# Altium PCB main_not_rotated.PcbDoc (part 1 of 2)
Units mm, origin at the board's own origin, x right, y up, seen from the top; angles counter-clockwise.
Board outline 199.97 x 144.74 mm, 2 copper layers (Top Layer, Bottom Layer); 194 components, 185 nets, 678 pads, 91 vias.
Unrouted connection lines stored in the file: 244.
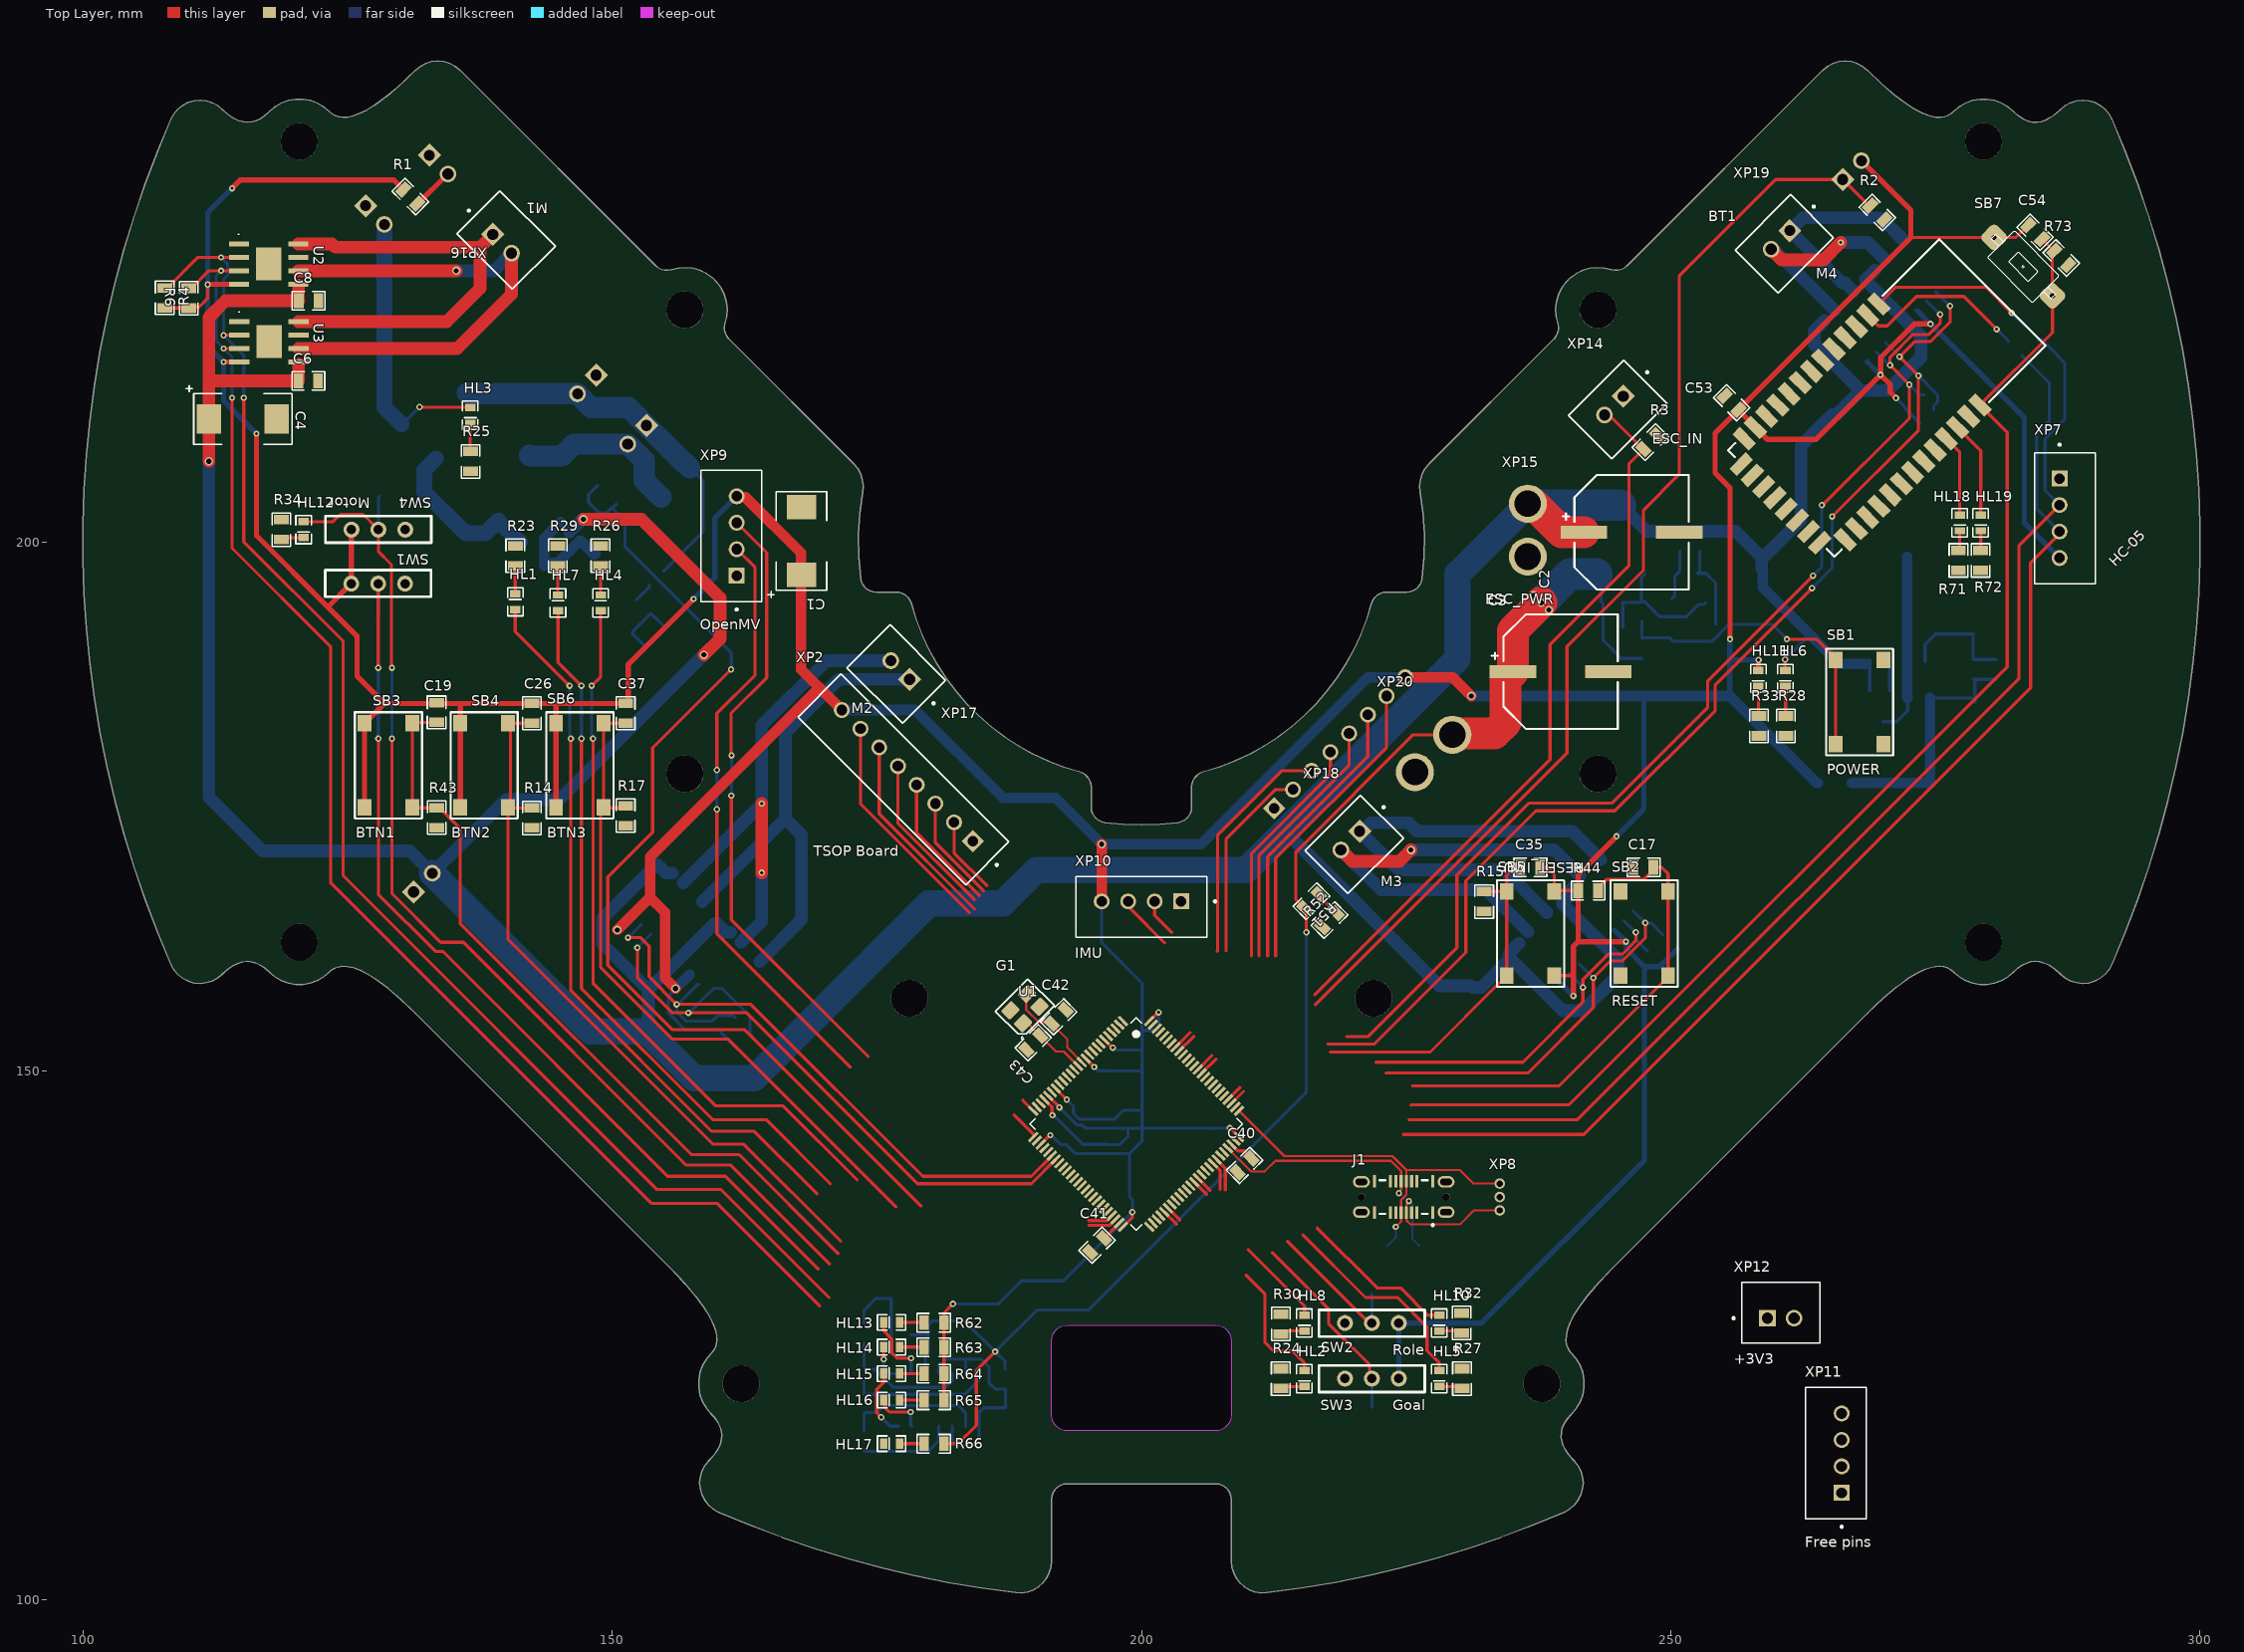
[diagram p0: Top Layer view]
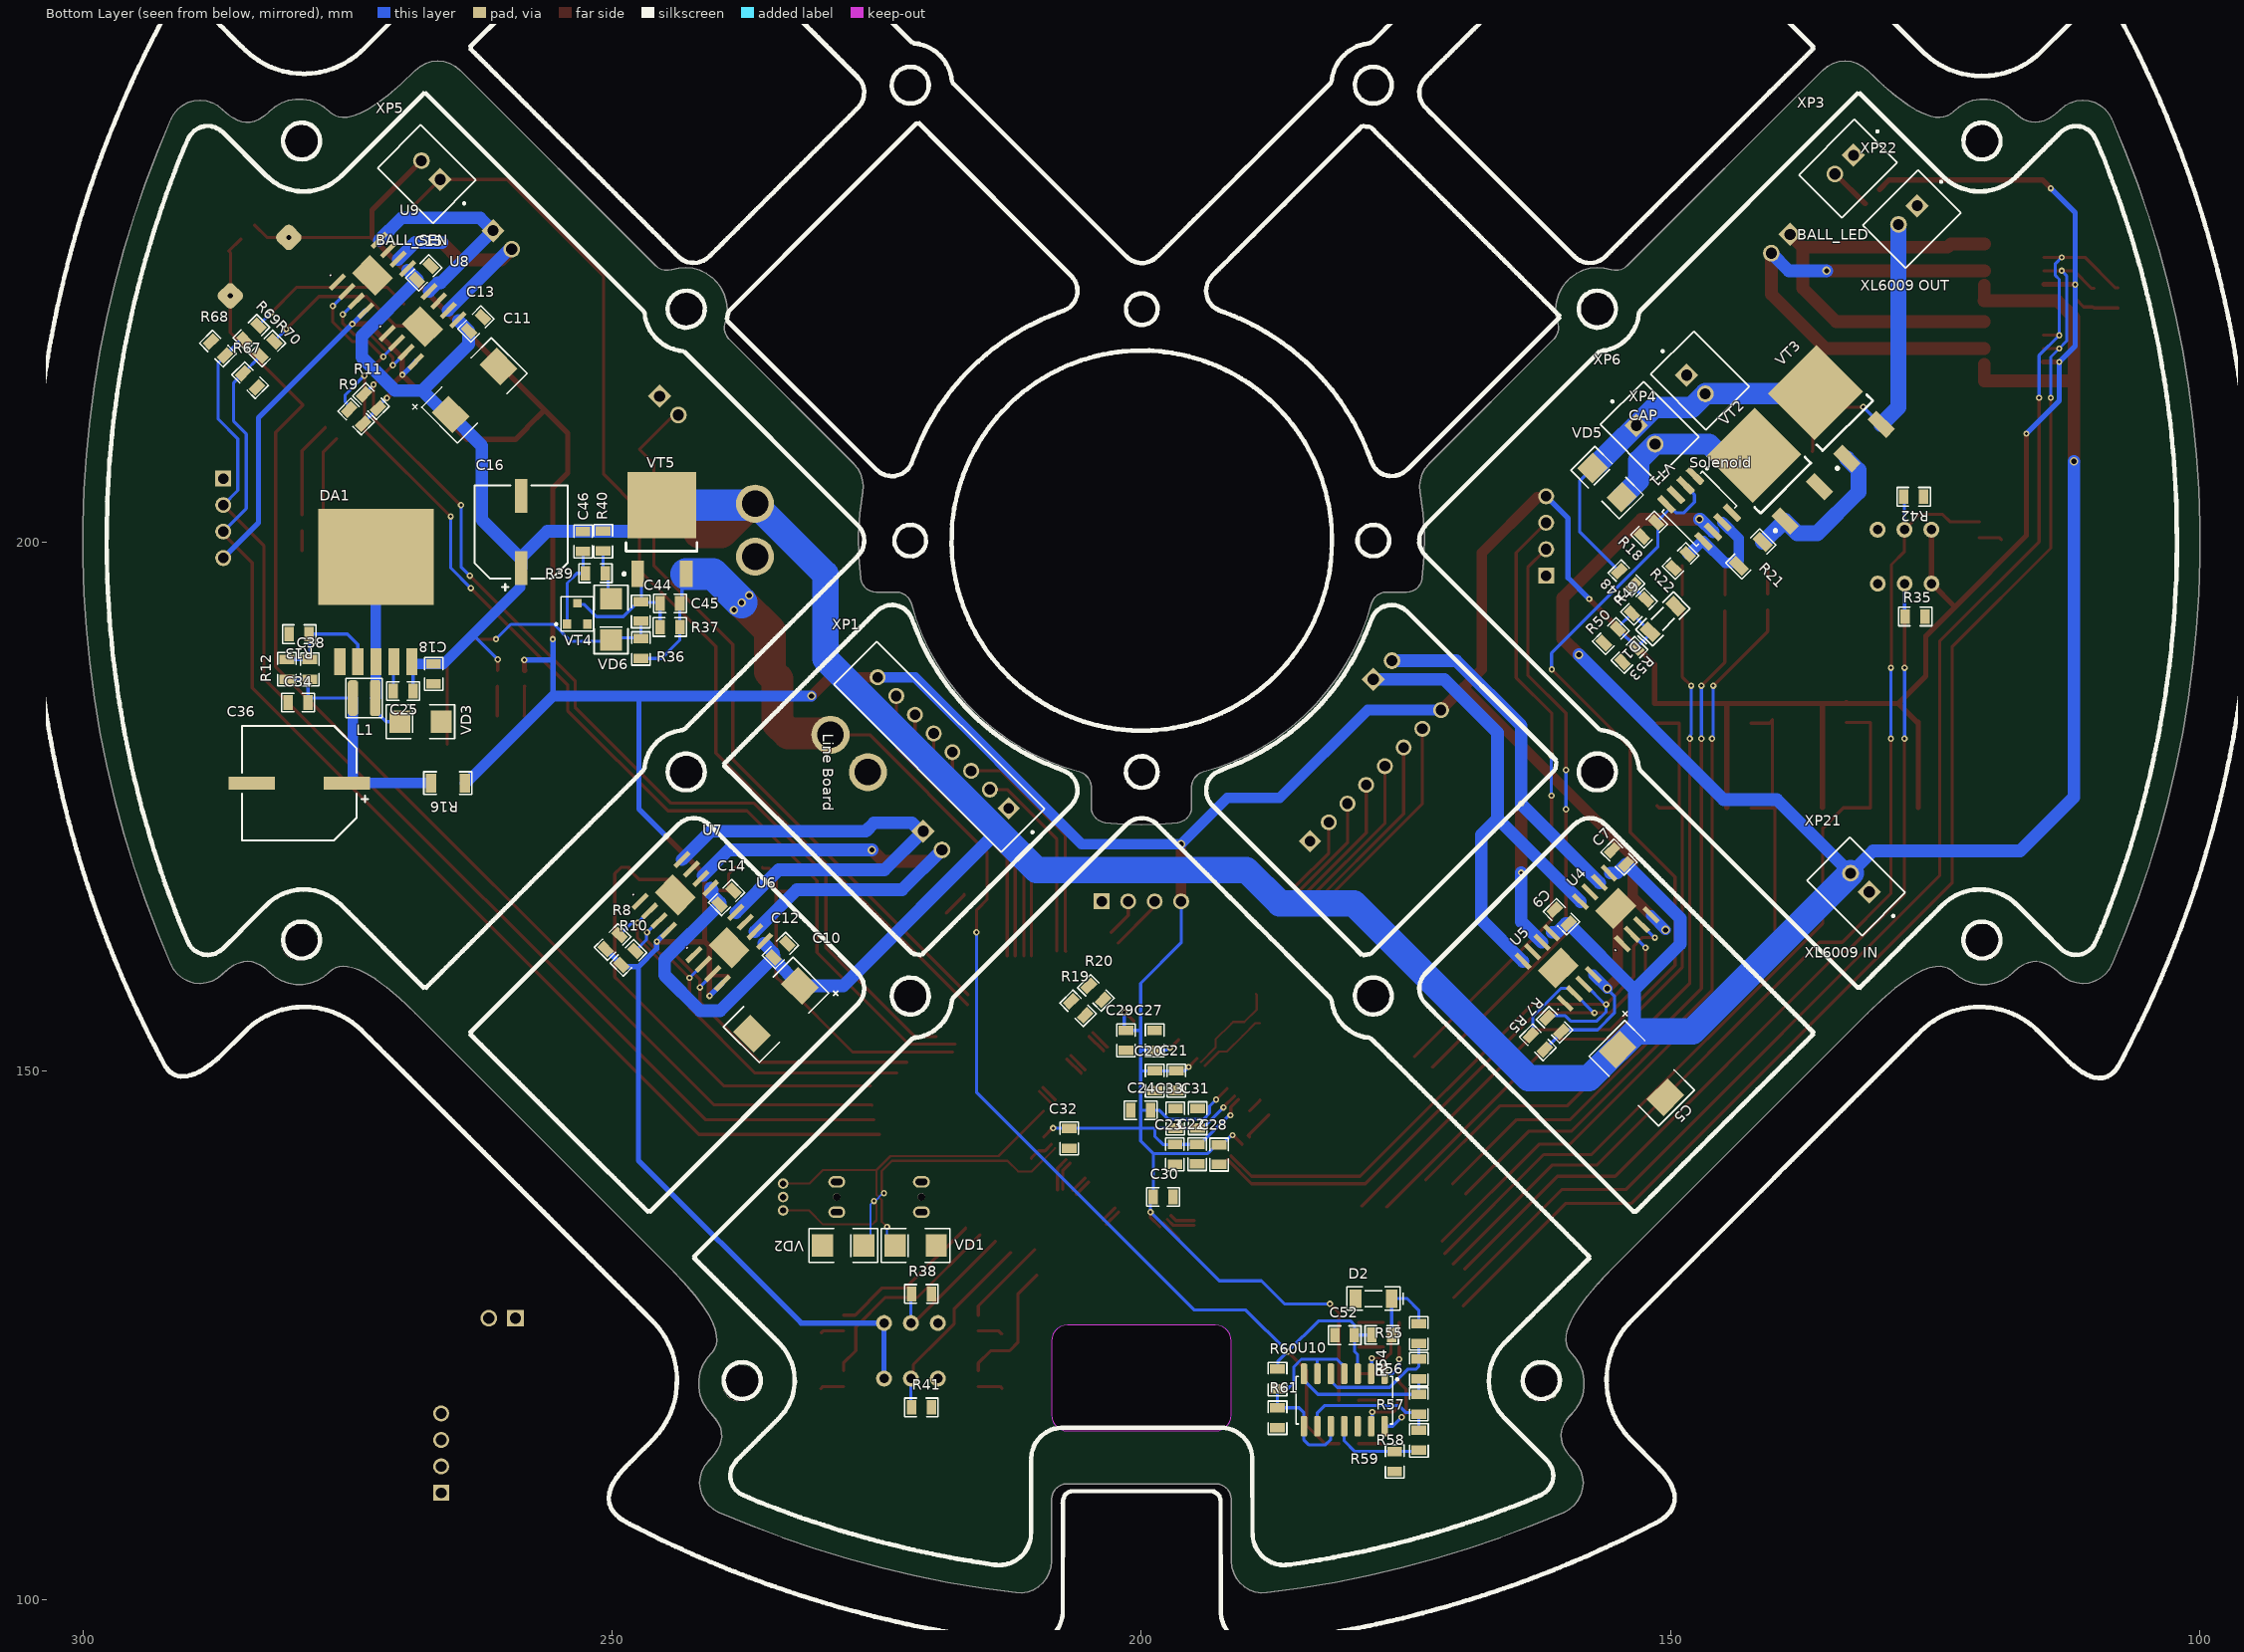
[diagram p1: Bottom Layer view, seen from below]
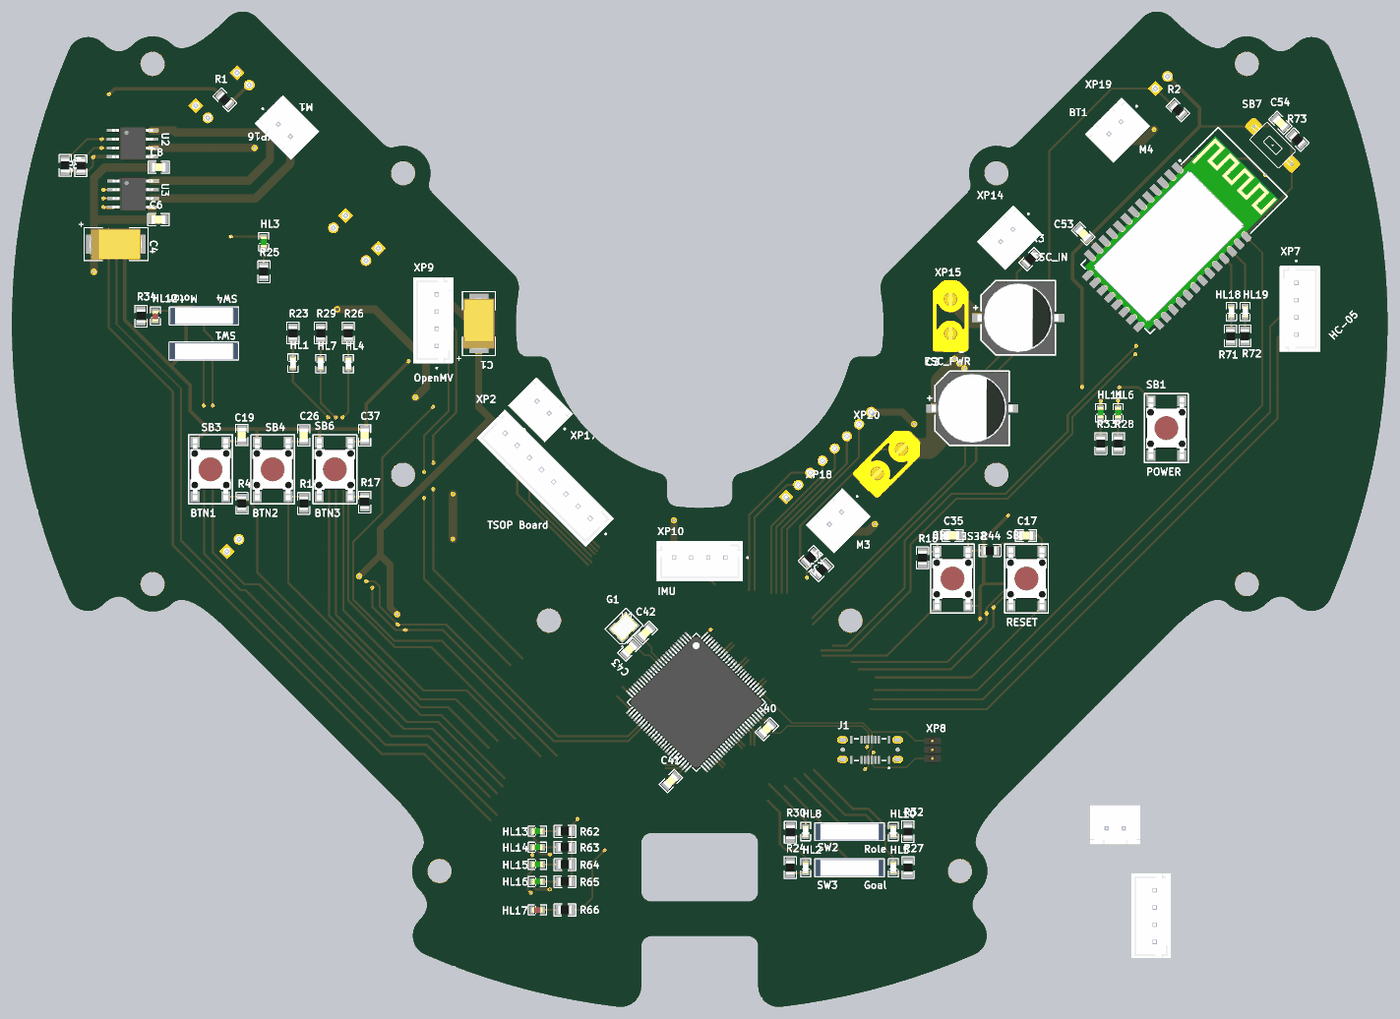
[diagram p3: 3D render of the assembled board from above, using the file's embedded part models]
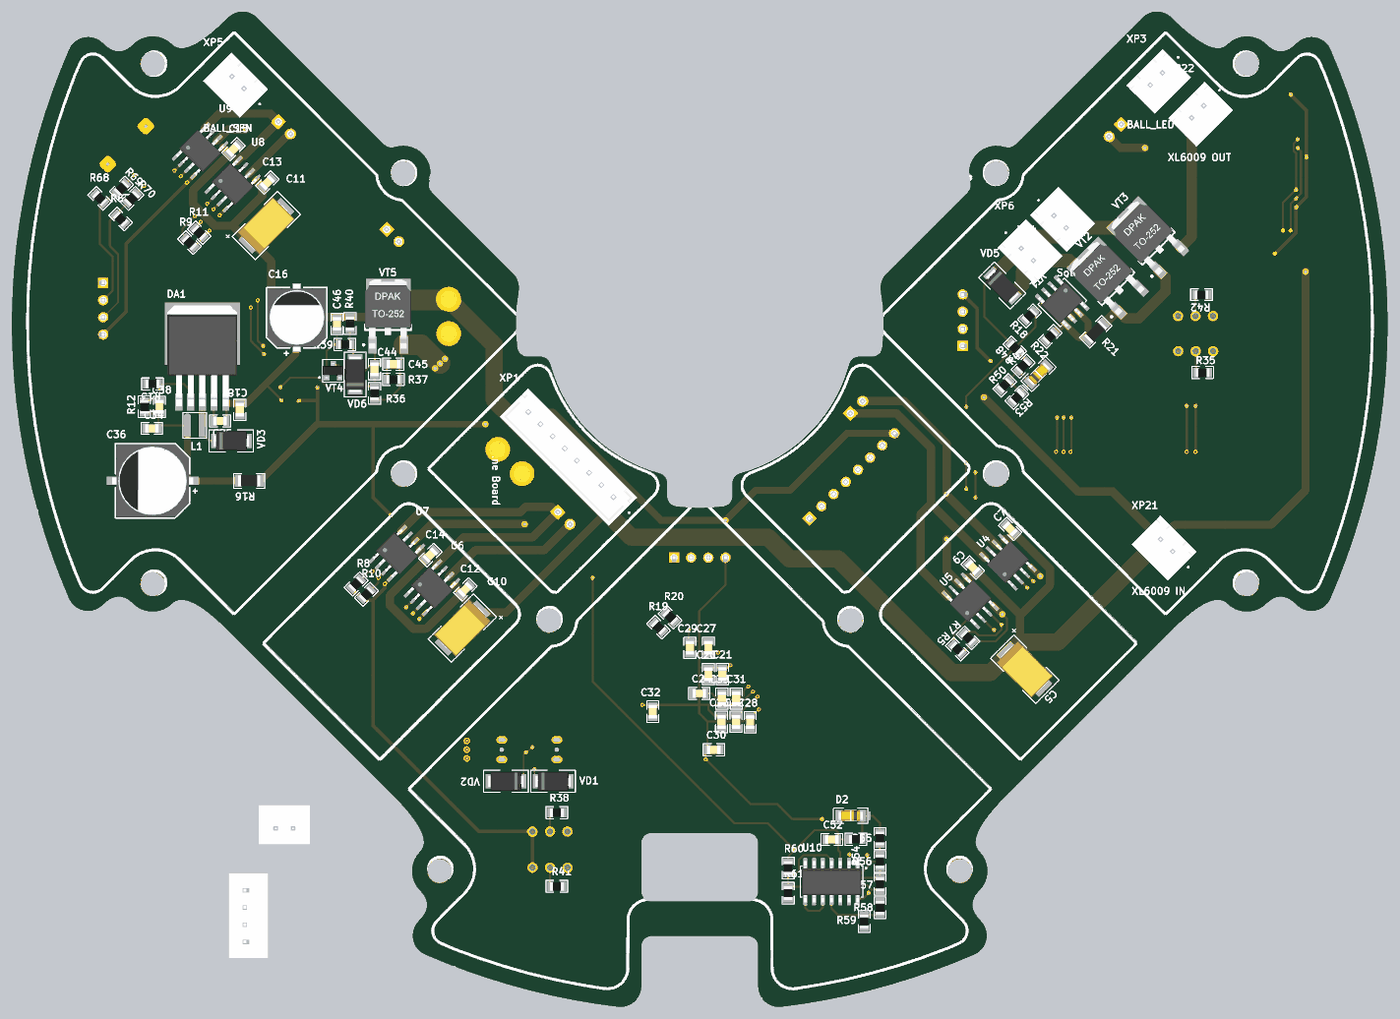
[diagram p4: 3D render of the assembled board from below, using the file's embedded part models]

## Layer stack, top to bottom
Top Solder: solder mask 0.0102, Solder Resist, Dk 3.5
Top Layer: signal copper 0.07
Dielectric 1: dielectric 0.32, FR-4, Dk 4.8
Bottom Layer: signal copper 0.07
Bottom Solder: solder mask 0.0102, Solder Resist, Dk 3.5

## Board outline
538 vertices, not listed, extent 100.013,100.691 299.986,245.426
cut-out: 208.5,117.5 208.462,117.166 208.351,116.849 208.173,116.565 207.935,116.327 207.651,116.149 207.334,116.038 207,116 193,116 192.666,116.038 192.349,116.149 192.065,116.327 191.827,116.565 191.649,116.849 191.538,117.166 191.5,117.5 191.5,124.5 191.538,124.834 191.649,125.151 191.827,125.435 192.065,125.673 192.349,125.851 192.666,125.962 193,126 207,126 207.334,125.962 207.651,125.851 207.935,125.673 208.173,125.435 208.351,125.151 208.462,124.834 208.5,124.5

## Design rules (kind name [scope] priority, off if disabled: settings)
BoardOutlineClearance [All] p1: gap=0.25 ignorepadtopadclearanceinfootprint=FALSE
Clearance Clearance_MultiLayerPad [OnLayer('Multi-Layer') and IsPad] p1: gap=0.25 ignorepadtopadclearanceinfootprint=FALSE except(0: Arc-Hole Track-Hole SMDPad-Hole THPad-Hole Via-Hole Fill-Hole Poly-Hole Region-Hole Text-Hole)
Clearance Clearance_Polygon [InPolygon] p2 off: gap=0.2 ignorepadtopadclearanceinfootprint=FALSE except(0: Arc-Hole Track-Hole SMDPad-Hole THPad-Hole Via-Hole Fill-Hole Poly-Hole Region-Hole Text-Hole)
Clearance [All] p3: gap=0.15 ignorepadtopadclearanceinfootprint=FALSE except(0: Arc-Hole Track-Hole SMDPad-Hole THPad-Hole Via-Hole Fill-Hole Poly-Hole Region-Hole Text-Hole)
ComponentClearance [All] p1 off: gap=0 collisioncheckmode=3 verticalgap=2540 showdistances=TRUE
Height [All] p1 off: minheight=0 maxheight=25.4 prefheight=12.7
HoleSize [All] p1: absolutevalues=TRUE maxlimit=6.3 minlimit=0.2 maxpercent=80.000 minpercent=20.000
HoleToHoleClearance HoleToHoleClearanceVia [IsVia vs IsVia] p1: gap=0.254 allowstackedmicrovias=TRUE
HoleToHoleClearance [All] p2: gap=0.5 allowstackedmicrovias=TRUE
MinimumAnnularRing MinimumAnnularRingVia [IsVia] p1: minimumring=0.15
MinimumAnnularRing [All] p2: minimumring=0.25
MinimumSolderMaskSliver [All] p1: minsoldermaskwidth=0.244
PlaneClearance [All] p1: clearance=0.5
PlaneConnect [All] p1: planeconnectstyle=Relief reliefexpansion=0.5 reliefentries=4 reliefconductorwidth=0.3 reliefairgap=0.2
PolygonConnect PolygonConnect_Power [InPadClass('power')] p1: connectstyle=Relief reliefconductorwidth=0.9 reliefentries=4 polygonreliefangle="90 Angle" airgapwidth=0.2
PolygonConnect [All] p2: thpad.connectstyle=Relief thpad.reliefconductorwidth=0.3 thpad.reliefentries=4 thpad.polygonreliefangle="90 Angle" thpad.airgapwidth=0.2 smdpad.connectstyle=Relief smdpad.reliefconductorwidth=0.3 smdpad.reliefentries=4 smdpad.polygonreliefangle="90 Angle" smdpad.airgapwidth=0.2 via.connectstyle=Direct via.reliefconductorwidth=0.3 via.reliefentries=4 via.polygonreliefangle="90 Angle" via.airgapwidth=0.2
RoutingVias [All] p1: holewidth=0.3 width=0.6 viastyle="Through Hole" minholewidth=0.3 minwidth=0.6 maxholewidth=0.5 maxwidth=1.5
SilkToSilkClearance [All] p1: silktosilkclearance=0.2
SilkToSolderMaskClearance [IsPad] p1: minsilkscreentomaskgap=0.15 clearancetoexposedcopper=TRUE
SolderMaskExpansion [All] p1: expansion=0.05 istentingtop=FALSE
UnRoutedNet [All] p1: checkbadconnections=TRUE
Width [All] p1: maxlimit=10 minlimit=0.15 preferedwidth=0.3
20 further rules are at their usual default settings.

## Classes and differential pairs
component class U_switches: C17 C19 C26 C35 C37 C44 C45 C46 R14 R15 R17 R35 R36 R37 R38 R39 R40 R41 R42 R43 R44 SB1 SB2 SB3 SB4 SB5 SB6 SW1 SW2 SW3 SW4 VD6 VT4 VT5
component class U_stabs: C16 C18 C25 C34 C36 C38 DA1 L1 R12 R13 R16 VD3
component class U_indicator: C52 D1 D2 HL13 HL14 HL15 HL16 HL17 R48 R49 R50 R51 R52 R53 R54 R55 R56 R57 R58 R59 R60 R61 R62 R63 R64 R65 R66 U10
component class U_drv: C4 C5 C6 C7 C8 C9 C10 C11 C12 C13 C14 C15 R4 R5 R6 R7 R8 R9 R10 R11 U2 U3 U4 U5 U6 U7 U8 U9
component class U_connectors: C1 C2 C3 J1 R1 R2 R3 VD1 VD2 XP1 XP2 XP3 XP4 XP5 XP6 XP7 XP8 XP9 XP10 XP11 XP12 XP14 XP15 XP16 XP17 XP18 XP19 XP20 XP21 XP22
component class U_bluetooth: BT1 C53 C54 HL18 HL19 R67 R68 R69 R70 R71 R72 R73 SB7
component class main: C20 C21 C22 C23 C24 C27 C28 C29 C30 C31 C32 C33 C40 C41 C42 C43 G1 HL1 HL2 HL3 HL4 HL5 HL6 HL7 HL8 HL10 HL11 HL12 R18 R19 R20 R21 R22 R23 R24 R25 R26 R27 R28 R29 R30 R32 R33 R34 U1 VD5 VT1 VT2 VT3
